# KiCad board antmicro-gmsl-serializer.kicad_pcb
title: GMSL Serializer; date: 2024-01-03; rev: 1.0.0; company: Antmicro Ltd; note: www.antmicro.com
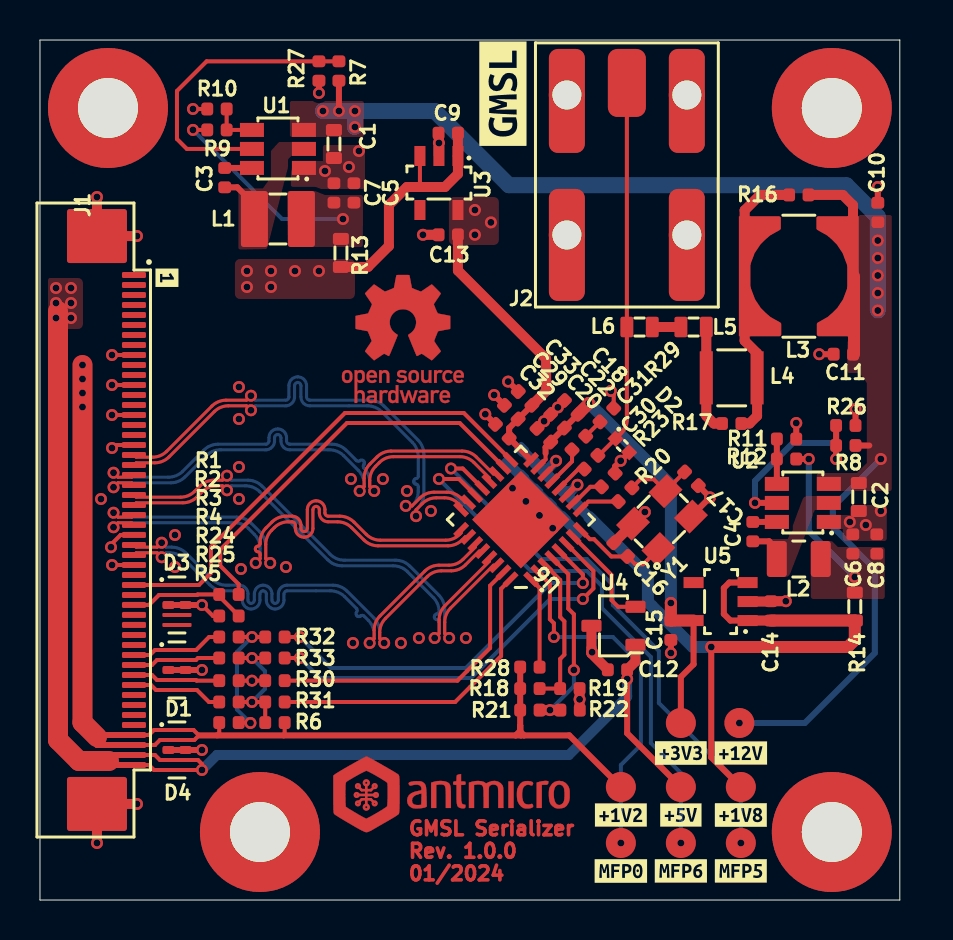
[diagram p0: board, top side]
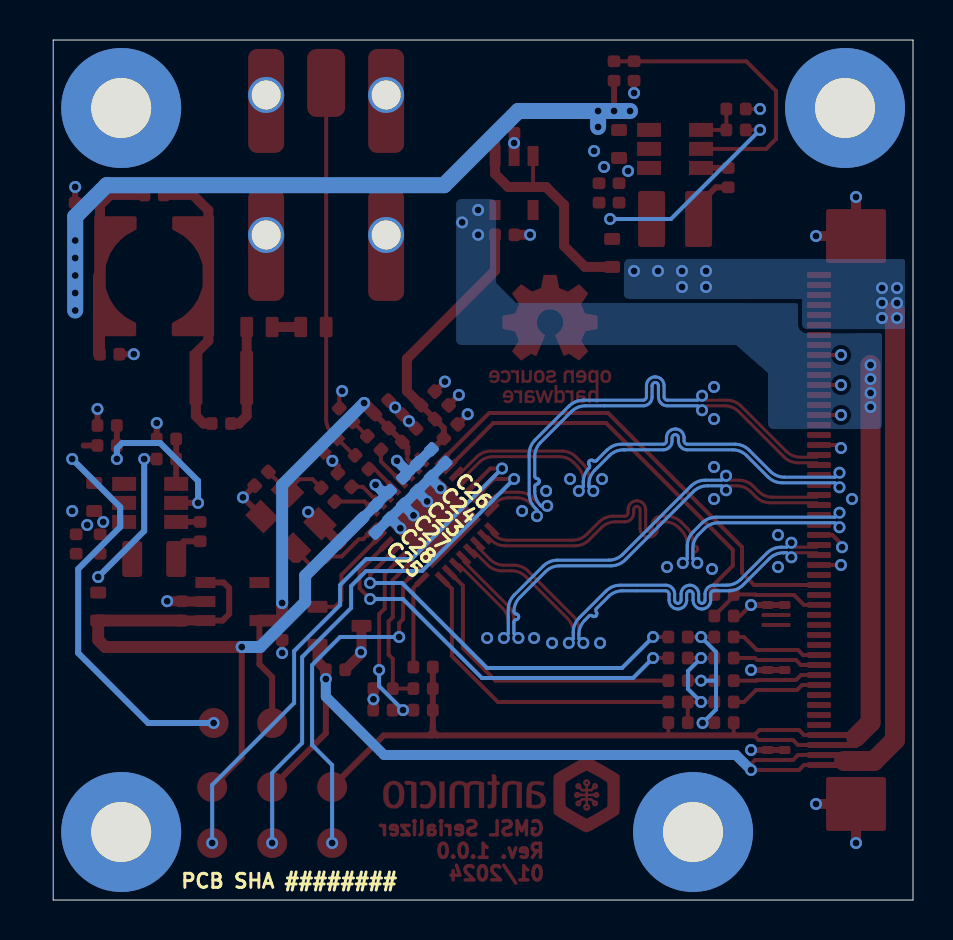
[diagram p1: board, bottom side, seen from below]

Outline 43 x 43 mm; copper layers: Top, In1.Cu (plane), In2.Cu (plane), Bottom. Coordinates in mm from the lower left corner of the outline.
Outline path: 0,43 43,43 43,0 0,0 0,43
Stack: Top 0.018mm / dielectric 0.12mm IS400 PR2116 er 4.06 / In1.Cu 0.035mm / dielectric 1.2mm FR-4 er 4.35 / In2.Cu 0.035mm / dielectric 0.12mm IS400 PR2116 er 4.06 / Bottom 0.018mm

## Placement (name value [footprint] x y rotation side)
C1  C_10u_25V_0603  [C_0603_1608Metric]  14.7 37.8 90 top
C2  C_10u_25V_0603  [C_0603_1608Metric]  40.95 20.15 90 top
C3  C_220n_0402  [C_0402_1005Metric]  9.24 36.12 270 top
C4  C_100n_0402  [C_0402_1005Metric]  35.65 18.42 270 top
C5  C_22u_0402  [C_0402_1005Metric]  15.7 35.35 270 top
C6  C_22u_0402  [C_0402_1005Metric]  40.65 17.8 270 top
C7  C_22u_0402  [C_0402_1005Metric]  14.7 35.35 270 top
C8  C_22u_0402  [C_0402_1005Metric]  41.85 17.8 270 top
C9  C_1u_16V_0402  [C_0402_1005Metric]  20.42 38.34 0 top
C10  C_100n_0402  [C_0402_1005Metric]  41.9 34.38 270 top
C11  C_10n_0402  [C_0402_1005Metric]  40.18 27.29 0 top
C12  C_1u_16V_0402  [C_0402_1005Metric]  28.88 11.51 0 top
C13  C_1u_16V_0402  [C_0402_1005Metric]  20.42 33.26 0 top
C14  C_1u_16V_0402  [C_0402_1005Metric]  36.56 14.46 270 top
C15  C_1u_16V_0402  [C_0402_1005Metric]  31.55 13.49 90 top
C16  C_33p_0402  [C_0402_1005Metric]  29.04 17.52 315 top
C17  C_33p_0402  [C_0402_1005Metric]  32.58 21.06 135 top
C18  C_10u_0402  [C_0402_1005Metric]  26.57 24.63 315 top
C20  C_100n_0402  [C_0402_1005Metric]  25.2 23.24 315 top
C22  C_100n_0402  [C_0402_1005Metric]  25.88 23.94 315 top
C23  C_10n_0402  [C_0402_1005Metric]  25.14 20.79 45 bottom
C24  C_100n_0402  [C_0402_1005Metric]  24.44 21.49 45 bottom
C25  C_10u_0402  [C_0402_1005Metric]  27.21 18.72 45 bottom
C26  C_10u_0402  [C_0402_1005Metric]  23.74 22.19 45 bottom
C27  C_10n_0402  [C_0402_1005Metric]  25.83 20.1 45 bottom
C28  C_10n_0402  [C_0402_1005Metric]  26.52 19.41 45 bottom
C29  C_10n_0402  [C_0402_1005Metric]  23.57 24.39 315 top
C30  C_100n_0402  [C_0402_1005Metric]  27.56 21.89 45 top
C31  C_100n_0402  [C_0402_1005Metric]  26.95 22.85 45 top
C32  C_10n_0402  [C_0402_1005Metric]  23.12 23.44 315 top
C33  C_10u_0402  [C_0402_1005Metric]  24.26 25.08 315 top
D1  PESD4USB5U-TTS  [DFN-10_2.5x1mm]  6.85 11.5 0 top
D2  AXGD10402KR  [D_0402_1005Metric]  29.12 22.73 315 top
D3  PESD4USB5U-TTS  [DFN-10_2.5x1mm]  6.85 14.75 0 top
D4  PESD4USB5U-TTS  [DFN-10_2.5x1mm]  6.85 7.5 0 top
J1  Conn_FFC_WE_68715014022  [Conn_FFC_WE_68715014x22]  2.55 19 270 top
J2  Conn_FAKRA_2FAI-NZSP-PCBB6  [Conn_FAKRA_59S2AQ-40MT5-Z_1]  29.35 40.85 0 top
kibuzzard-65829B98  G***  [kibuzzard-65829B98]  23.15 40.32 90 top
kibuzzard-65829C0E  G***  [kibuzzard-65829C0E]  6.35 31.11 270 top
kibuzzard-65829C7C  G***  [kibuzzard-65829C7C]  35.05 1.45 0 top
kibuzzard-65829C9B  G***  [kibuzzard-65829C9B]  32.05 7.35 0 top
kibuzzard-65829C27  G***  [kibuzzard-65829C27]  32.05 4.25 0 top
kibuzzard-65829C31  G***  [kibuzzard-65829C31]  35.05 4.25 0 top
kibuzzard-65829C55  G***  [kibuzzard-65829C55]  29.05 1.45 0 top
kibuzzard-65829C69  G***  [kibuzzard-65829C69]  29.05 4.25 0 top
kibuzzard-65829C72  G***  [kibuzzard-65829C72]  32.05 1.45 0 top
kibuzzard-65829CA4  G***  [kibuzzard-65829CA4]  35.05 7.35 0 top
L1  L_3u3_3.1A_Bourns-SRP3212A  [L_Bourns-SRP3212A]  11.9 34.05 0 top
L2  L_1u_2.6A_0806  [L_0806_2016Metric]  37.95 17.05 0 top
L3  L_22u_1.12A_Coilcraft-MSS6132T  [L_Coilcraft-MSS6132T]  37.95 31.19 180 top
L4  L_6u8_1A_Coilcraft-1210POC  [L_Coilcraft-1210POC]  34.59 26.11 180 top
L5  L_470n_1A_Coilcraft-PFL1609  [L_Coilcraft-PFL1609]  32.69 28.65 180 top
L6  L_470n_1A_Coilcraft-PFL1609  [L_Coilcraft-PFL1609]  29.98 28.65 180 top
MP1  MP_Pad6mm_Drill3mm  [MP_Pad6mm_Drill3mm#2]  39.67 3.25 0 top
MP2  MP_Pad6mm_Drill3mm  [MP_Pad6mm_Drill3mm#4]  39.6 39.75 0 top
MP3  MP_Pad6mm_Drill3mm  [MP_Pad6mm_Drill3mm#3]  10.35 3.25 0 top
MP4  -  [MP_Pad6mm_Drill3mm]  3.4 39.6 0 top
N1  antmicro_logo  [antmicro-logo_scaled_12mm]  20.55 5.25 0 top
N2  oshw_logo  [oshw-logo]  18.15 28.05 0 top
R1  R_10k_0402  [R_0402_1005Metric]  9.45 15.28 0 top
R2  R_12k_0402  [R_0402_1005Metric]  9.45 14.2 180 top
R3  R_100R_0402  [R_0402_1005Metric]  9.45 13.15 0 top
R4  R_100R_0402  [R_0402_1005Metric]  9.45 12.1 0 top
R5  R_4k7_0402  [R_0402_1005Metric]  9.45 8.87 180 top
R6  R_4k7_0402  [R_0402_1005Metric]  11.75 8.87 0 top
R7  R_10k_0402  [R_0402_1005Metric]  14.95 41.45 270 top
R8  R_10k_0402  [R_0402_1005Metric]  40.3 22.72 0 top
R9  R_52k3_0402  [R_0402_1005Metric]  8.85 38.5 180 top
R10  R_10k_0402  [R_0402_1005Metric]  8.85 39.55 0 top
R11  R_12k4_0402  [R_0402_1005Metric]  37.34 22.05 0 top
R12  R_10k_0402  [R_0402_1005Metric]  37.34 23.05 180 top
R13  R_0R_22.4A_0603  [R_0603_1608Metric]  15.05 32.35 270 top
R14  R_0R_22.4A_0603  [R_0603_1608Metric]  40.75 14.67 270 top
R16  R_5k1_0402  [R_0402_1005Metric]  37.95 35.25 180 top
R17  R_5k1_0402  [R_0402_1005Metric]  34.59 23.82 180 top
R18  R_80k6_0402  [R_0402_1005Metric]  24.5 10.57 180 top
R19  R_10k_0402  [R_0402_1005Metric]  26.5 10.57 180 top
R20  R_0R_0402  [R_0402_1005Metric]  29.26 20.27 225 top
R21  R_80k6_0402  [R_0402_1005Metric]  24.5 9.49 180 top
R22  R_10k_0402  [R_0402_1005Metric]  26.51 9.49 180 top
R23  R_402R_0402  [R_0402_1005Metric]  28.42 21 225 top
R24  R_100R_0402  [R_0402_1005Metric]  9.45 10.97 0 top
R25  R_100R_0402  [R_0402_1005Metric]  9.45 9.9 0 top
R26  R_10k_0402  [R_0402_1005Metric]  40.3 23.72 180 top
R27  R_10k_0402  [R_0402_1005Metric]  13.95 41.45 90 top
R28  R_10k_0402  [R_0402_1005Metric]  24.5 11.64 180 top
R29  R_51R_0402  [R_0402_1005Metric]  28.35 24.25 225 top
R30  R_0R_0402  [R_0402_1005Metric]  11.75 10.97 0 top
R31  R_0R_0402  [R_0402_1005Metric]  11.75 9.9 0 top
R32  R_0R_0402  [R_0402_1005Metric]  11.75 13.15 0 top
R33  R_0R_0402  [R_0402_1005Metric]  11.75 12.1 0 top
TP1  TP_1.5mm_SMD  [TP_SMD_1.5mm]  32.05 5.65 0 top
TP2  TP_1.5mm_SMD  [TP_SMD_1.5mm]  35.05 5.65 0 top
TP3  TP_1.5mm_SMD  [TP_SMD_1.5mm]  34.98 8.85 180 top
TP4  TP_1.5mm_SMD  [TP_SMD_1.5mm]  29.05 5.65 0 top
TP5  TP_1.5mm_SMD  [TP_SMD_1.5mm]  32.05 8.85 0 top
TP6  TP_1.5mm_SMD  [TP_SMD_1.5mm]  29.05 2.85 0 top
TP7  TP_1.5mm_SMD  [TP_SMD_1.5mm]  35.05 2.85 0 top
TP8  TP_1.5mm_SMD  [TP_SMD_1.5mm]  32.05 2.85 0 top
U1  AP62301_TSOT  [TSOT23-6]  11.9 37.55 180 top
U2  AP62301_TSOT  [TSOT23-6]  38.15 19.85 180 top
U3  NCP163ASN330T1G  [SOT-23-5]  19.95 35.85 270 top
U4  REF3012AIDBZT  [SOT-23-3]  28.68 13.71 180 top
U5  TLV73312PDBVT  [SOT-23-5]  34.04 14.92 180 top
U6  MAX9295A  [QFN-32-1EP_5x5mm]  24 19 135 top
Y1  Resonator_25MHz_ABM8G  [Oscillator_SMD_Geyer_KX-7-4Pin_3.2x2.5mm]  31.04 19 45 top

## Library data of the parts
C1 = -: Author: Antmicro; License: Apache-2.0; MPN: C1608X5R1E106M080AC; Manufacturer: TDK; Val: 10u/25V; Field11: Author: Antmicro; Field13: License: Apache-2.0
C2 = -: Author: Antmicro; License: Apache-2.0; MPN: C1608X5R1E106M080AC; Manufacturer: TDK; Val: 10u/25V; Field11: License: Apache-2.0; Field12: Author: Antmicro
C3 = -: Author: Antmicro; License: Apache-2.0; MPN: CC0402KRX5R6BB224; Manufacturer: YAGEO; Val: 220n; Field12: License: Apache-2.0; Field13: Author: Antmicro
C4 C30 = -: Author: Antmicro; Dielectric: X5R; License: Apache-2.0; MPN: GRM155R61H104KE14D; Manufacturer: Murata; Val: 100n; Voltage: 50V; Field11: Author: Antmicro; Field13: License: Apache-2.0
C5 C8 = -: Author: Antmicro; License: Apache-2.0; MPN: GRM158R60J226ME01D; Manufacturer: Murata; Val: 22u; Field11: Author: Antmicro; Field13: License: Apache-2.0
C6 = -: Author: Antmicro; License: Apache-2.0; MPN: GRM158R60J226ME01D; Manufacturer: Murata; Val: 22u; Field11: License: Apache-2.0; Field12: Author: Antmicro
C7 = -: Author: Antmicro; License: Apache-2.0; MPN: GRM158R60J226ME01D; Manufacturer: Murata; Val: 22u; Field11: Author: Antmicro; Field12: License: Apache-2.0
C9 C13 = -: Author: Antmicro; License: Apache-2.0; MPN: C0402C105M4PACTU; Manufacturer: KEMET; Val: 1u/16V; Field12: Author: Antmicro; Field13: License: Apache-2.0
C10 C22 = -: Author: Antmicro; Dielectric: X5R; License: Apache-2.0; MPN: GRM155R61H104KE14D; Manufacturer: Murata; Val: 100n; Voltage: 50V; Field11: License: Apache-2.0; Field12: Author: Antmicro
C11 C32 = -: Author: Antmicro; Dielectric: X7R; License: Apache-2.0; MPN: GRM155R71H103KA88D; Manufacturer: Murata; Val: 10n; Voltage: 50V; Field11: Author: Antmicro; Field13: License: Apache-2.0
C12 = -: Author: Antmicro; License: Apache-2.0; MPN: C0402C105M4PACTU; Manufacturer: KEMET; Val: 1u/16V; Field11: License: Apache-2.0; Field13: Author: Antmicro
C14 = -: Author: Antmicro; License: Apache-2.0; MPN: C0402C105M4PACTU; Manufacturer: KEMET; Val: 1u/16V; Field12: License: Apache-2.0; Field13: Author: Antmicro
C15 = -: Author: Antmicro; License: Apache-2.0; MPN: C0402C105M4PACTU; Manufacturer: KEMET; Val: 1u/16V; Field11: Author: Antmicro; Field13: License: Apache-2.0
C16 = -: Author: Antmicro; License: Apache-2.0; MPN: 04025A330FAT2A; Manufacturer: KYOCERA AVX; Val: 33p; Field11: License: Apache-2.0; Field12: Author: Antmicro
C17 = -: Author: Antmicro; License: Apache-2.0; MPN: 04025A330FAT2A; Manufacturer: KYOCERA AVX; Val: 33p; Field11: License: Apache-2.0; Field13: Author: Antmicro
C18 C33 = -: Author: Antmicro; License: Apache-2.0; MPN: CC0402MRX5R5BB106; Manufacturer: YAGEO; Val: 10u; Field11: Author: Antmicro; Field12: License: Apache-2.0
C20 = -: Author: Antmicro; Dielectric: X5R; License: Apache-2.0; MPN: GRM155R61H104KE14D; Manufacturer: Murata; Val: 100n; Voltage: 50V; Field12: Author: Antmicro; Field13: License: Apache-2.0
C23 C27 = -: Author: Antmicro; Dielectric: X7R; License: Apache-2.0; MPN: GRM155R71H103KA88D; Manufacturer: Murata; Val: 10n; Voltage: 50V; Field12: Author: Antmicro; Field13: License: Apache-2.0
C24 = -: Author: Antmicro; Dielectric: X5R; License: Apache-2.0; MPN: GRM155R61H104KE14D; Manufacturer: Murata; Val: 100n; Voltage: 50V; Field12: License: Apache-2.0; Field13: Author: Antmicro
C25 = -: Author: Antmicro; License: Apache-2.0; MPN: CC0402MRX5R5BB106; Manufacturer: YAGEO; Val: 10u; Field11: License: Apache-2.0; Field12: Author: Antmicro
C26 = -: Author: Antmicro; License: Apache-2.0; MPN: CC0402MRX5R5BB106; Manufacturer: YAGEO; Val: 10u; Field11: Author: Antmicro; Field13: License: Apache-2.0
C28 = -: Author: Antmicro; Dielectric: X7R; License: Apache-2.0; MPN: GRM155R71H103KA88D; Manufacturer: Murata; Val: 10n; Voltage: 50V; Field11: License: Apache-2.0; Field12: Author: Antmicro
C29 = -: Author: Antmicro; Dielectric: X7R; License: Apache-2.0; MPN: GRM155R71H103KA88D; Manufacturer: Murata; Val: 10n; Voltage: 50V; Field11: Author: Antmicro; Field12: License: Apache-2.0
C31 = -: Author: Antmicro; Dielectric: X5R; License: Apache-2.0; MPN: GRM155R61H104KE14D; Manufacturer: Murata; Val: 100n; Voltage: 50V; Field11: License: Apache-2.0; Field13: Author: Antmicro
D1 = -: Author: Antmicro; License: Apache-2.0; Manufacturer: Nexperia; Field8: Author: Antmicro; Field9: License: Apache-2.0
D2 = -: Author: Antmicro; License: Apache-2.0; Manufacturer: Littelfuse; Field8: License: Apache-2.0; Field10: Author: Antmicro
D3 D4 = -: Author: Antmicro; License: Apache-2.0; Manufacturer: Nexperia; Field8: License: Apache-2.0; Field9: Author: Antmicro
J1 = -: Author: Antmicro; License: Apache-2.0; MPN: 68715014022; Manufacturer: Würth Elektronik; Field8: Author: Antmicro; Field9: License: Apache-2.0
J2 = -: Author: Antmicro; License: Apache-2.0; MPN: 59S2AQ-40MT5-Z_1; Manufacturer: Rosenberger; Field9: Author: Antmicro; Field10: License: Apache-2.0
L1 = -: Author: Antmicro; IMax: 3.1 A; ISat: 3.4 A; License: Apache-2.0; MPN: SRP3212-3R3M; Manufacturer: Bourns; Size: 3.2x2.5; Val: 3u3/3.1A; Field12: License: Apache-2.0; Field14: Author: Antmicro
L2 = -: Author: Antmicro; IMax: 2.6 A; ISat: 2.9 A; License: Apache-2.0; MPN: SRP2010-1R0M; Manufacturer: Bourns; Size: 2.0x1.6; Val: 1u/2.6A; Field13: License: Apache-2.0; Field14: Author: Antmicro
L3 = -: Author: Antmicro; IMax: 1.45A; ISat: 1.12A; License: Apache-2.0; MPN: MSS6132T-223; Manufacturer: Coilcraft; Size: 6.1x6.1; Val: 22u/1.12A; Field13: Author: Antmicro; Field14: License: Apache-2.0
L4 = -: Author: Antmicro; IMax: 1.36 A; ISat: 1 A; License: Apache-2.0; MPN: 1210POC-682; Manufacturer: Coilcraft; Size: 2.67x3.3; Val: 6u8/1A; Field12: License: Apache-2.0; Field14: Author: Antmicro
L5 = -: Author: Antmicro; IMax: 1 A; ISat: 0.99 A; License: Apache-2.0; MPN: PFL1609-471; Manufacturer: Coilcraft; Size: 1.07x1.8; Val: 470n/0.99A; Field12: Author: Antmicro; Field13: License: Apache-2.0
L6 = -: Author: Antmicro; IMax: 1 A; ISat: 0.99 A; License: Apache-2.0; MPN: PFL1609-471; Manufacturer: Coilcraft; Size: 1.07x1.8; Val: 470n/0.99A; Field12: Author: Antmicro; Field14: License: Apache-2.0
MP1 = -: Author: Antmicro; License: Apache-2.0; Field6: Author: Antmicro; Field7: License: Apache-2.0
MP2-MP4 = -: Author: Antmicro; License: Apache-2.0; Field6: License: Apache-2.0; Field8: Author: Antmicro
N1 = -: Author: Antmicro; License: Apache-2.0; Field10: License: Apache-2.0; Field11: Author: Antmicro
N2 TP2 TP8 = -: Author: Antmicro; License: Apache-2.0; Field9: License: Apache-2.0; Field10: Author: Antmicro
R1 R8 R10 = -: Author: Antmicro; License: Apache-2.0; MPN: CR0402-FX-1002GLF; Manufacturer: Bourns; Tolerance: 1%; Val: 10k; Field10: License: Apache-2.0; Field12: Author: Antmicro
R2 = -: Author: Antmicro; License: Apache-2.0; MPN: CR0402-FX-1202GLF; Manufacturer: Bourns; Tolerance: 1%; Val: 12k; Field10: License: Apache-2.0; Field12: Author: Antmicro
R3 R4 = -: Author: Antmicro; License: Apache-2.0; MPN: CR0402-FX-1000GLF; Manufacturer: Bourns; Tolerance: 1%; Val: 100R; Field10: License: Apache-2.0; Field11: Author: Antmicro
R5 R6 = -: Author: Antmicro; DNP: DNP; License: Apache-2.0; MPN: CR0402-FX-4701GLF; Manufacturer: Bourns; Tolerance: 1%; Val: 4k7; Field13: Author: Antmicro; Field14: License: Apache-2.0
R7 R26 = -: Author: Antmicro; License: Apache-2.0; MPN: CR0402-FX-1002GLF; Manufacturer: Bourns; Tolerance: 1%; Val: 10k; Field10: Author: Antmicro; Field12: License: Apache-2.0
R9 = -: Author: Antmicro; License: Apache-2.0; MPN: CR0402-FX-5232GLF; Manufacturer: Bourns; Tolerance: 1%; Val: 52k3; Field10: Author: Antmicro; Field12: License: Apache-2.0
R11 = -: Author: Antmicro; License: Apache-2.0; MPN: CR0402-FX-1242GLF; Manufacturer: Bourns; Tolerance: 1%; Val: 12k4; Field11: License: Apache-2.0; Field12: Author: Antmicro
R12 = -: Author: Antmicro; License: Apache-2.0; MPN: CR0402-FX-1002GLF; Manufacturer: Bourns; Tolerance: 1%; Val: 10k; Field10: Author: Antmicro; Field11: License: Apache-2.0
R13 R14 = -: Author: Antmicro; License: Apache-2.0; MPN: PMR03EZPJ000; Manufacturer: ROHM Semiconductor; Max. Curr.: 22.4A; Tolerance: template_tolerance; Val: 0R; Field11: Author: Antmicro; Field12: License: Apache-2.0
R16 R17 = -: Author: Antmicro; License: Apache-2.0; MPN: CR0402-FX-5101GLF; Manufacturer: Bourns; Tolerance: 1%; Val: 5k1; Field10: License: Apache-2.0; Field12: Author: Antmicro
R18 = -: Author: Antmicro; DNP: DNP; License: Apache-2.0; MPN: CR0402-FX-8062GLF; Manufacturer: Bourns; Tolerance: 1%; Val: 80k6; Field12: License: Apache-2.0; Field14: Author: Antmicro
R19 R22 R28 = -: Author: Antmicro; License: Apache-2.0; MPN: CR0402-FX-1002GLF; Manufacturer: Bourns; Tolerance: 1%; Val: 10k; Field10: License: Apache-2.0; Field11: Author: Antmicro
R20 R32 = -: Author: Antmicro; Current: 1A; License: Apache-2.0; MPN: ERJ2GE0R00X; Manufacturer: Panasonic; Val: 0R; Field11: Author: Antmicro; Field12: License: Apache-2.0
R21 = -: Author: Antmicro; DNP: DNP; License: Apache-2.0; MPN: CR0402-FX-8062GLF; Manufacturer: Bourns; Tolerance: 1%; Val: 80k6; Field13: License: Apache-2.0; Field14: Author: Antmicro
R23 = -: Author: Antmicro; License: Apache-2.0; MPN: CR0402-FX-4020GLF; Manufacturer: Vishay; Tolerance: 1%; Val: 402R; Field11: License: Apache-2.0; Field12: Author: Antmicro
R24 = -: Author: Antmicro; License: Apache-2.0; MPN: CR0402-FX-1000GLF; Manufacturer: Bourns; Tolerance: 1%; Val: 100R; Field10: Author: Antmicro; Field11: License: Apache-2.0
R25 = -: Author: Antmicro; License: Apache-2.0; MPN: CR0402-FX-1000GLF; Manufacturer: Bourns; Tolerance: 1%; Val: 100R; Field10: Author: Antmicro; Field12: License: Apache-2.0
R27 = -: Author: Antmicro; License: Apache-2.0; MPN: CR0402-FX-1002GLF; Manufacturer: Bourns; Tolerance: 1%; Val: 10k; Field11: Author: Antmicro; Field12: License: Apache-2.0
R29 = -: Author: Antmicro; License: Apache-2.0; MPN: CR0402-FX-51R0GLF; Manufacturer: Bourns; Tolerance: 1%; Val: 51R; Field10: License: Apache-2.0; Field12: Author: Antmicro
R30 = -: Author: Antmicro; Current: 1A; DNP: DNP; License: Apache-2.0; MPN: ERJ2GE0R00X; Manufacturer: Panasonic; Val: 0R; Field13: Author: Antmicro; Field14: License: Apache-2.0
R31 = -: Author: Antmicro; Current: 1A; DNP: DNP; License: Apache-2.0; MPN: ERJ2GE0R00X; Manufacturer: Panasonic; Val: 0R; Field13: License: Apache-2.0; Field14: Author: Antmicro
R33 = -: Author: Antmicro; Current: 1A; License: Apache-2.0; MPN: ERJ2GE0R00X; Manufacturer: Panasonic; Val: 0R; Field11: Author: Antmicro; Field13: License: Apache-2.0
TP1 TP5 TP6 = -: Author: Antmicro; License: Apache-2.0; Field8: Author: Antmicro; Field9: License: Apache-2.0
TP3 = -: Author: Antmicro; License: Apache-2.0; Field8: License: Apache-2.0; Field10: Author: Antmicro
TP4 TP7 = -: Author: Antmicro; License: Apache-2.0; Field9: Author: Antmicro; Field10: License: Apache-2.0
U1 U2 = -: Author: Antmicro; License: Apache-2.0; MPN: AP62301WU-7; Manufacturer: Diodes Incorporated; Field8: License: Apache-2.0; Field9: Author: Antmicro
U3 = -: Author: Antmicro; License: Apache-2.0; Manufacturer: ON Semiconductor; Field8: License: Apache-2.0; Field9: Author: Antmicro
U4 = -: Author: Antmicro; License: Apache-2.0; Manufacturer: Texas Instruments; Field8: License: Apache-2.0; Field10: Author: Antmicro
U5 = -: Author: Antmicro; License: Apache-2.0; Manufacturer: Texas Instruments; Field8: Author: Antmicro; Field9: License: Apache-2.0
U6 = -: Author: Antmicro; License: Apache-2.0; Manufacturer: Maxim Integrated Products; Field9: License: Apache-2.0; Field10: Author: Antmicro
Y1 = -: Author: Antmicro; License: Apache-2.0; MPN: ABM8G-25.000MHZ-18-D2Y-T3; Manufacturer: Abracon; Val: 25 MHz; Field10: Author: Antmicro; Field11: License: Apache-2.0

## Footprints (pads in the part's own frame, mm; a bottom-side part is the same pattern mirrored in y, then rotated)
C_0402_1005Metric
  rrect 0.59x0.64 smd: 1(-0.484,0) 2(0.484,0)
C_0603_1608Metric
  rrect 0.6x0.8 smd: 1(-0.7,0) 2(0.7,0)
Conn_FAKRA_59S2AQ-40MT5-Z_1
  rrect 1.9x3.4 smd: 1(0,0)
  round 1.8 hole 1.45: 2(-3,-0.6) 3(-3,-7.6) 4(3,-7.6) 5(3,-0.6)
  rrect 1.8x5.2 smd: 2(-3,-0.6) 5(3,-0.6)
  rrect 1.8x5.6 smd: 3(-3,-7.6) 4(3,-7.6)
Conn_FFC_WE_68715014x22
  rrect 0.3x1.2 smd: 1(-12.25,2.15) 2(-11.75,2.15) 3(-11.25,2.15) 4(-10.75,2.15) 5(-10.25,2.15) 6(-9.75,2.15) 7(-9.25,2.15) 8(-8.75,2.15) 9(-8.25,2.15) 10(-7.75,2.15) 11(-7.25,2.15) 12(-6.75,2.15) 13(-6.25,2.15) 14(-5.75,2.15) 15(-5.25,2.15) 16(-4.75,2.15) 17(-4.25,2.15) 18(-3.75,2.15) 19(-3.25,2.15) 20(-2.75,2.15) 21(-2.25,2.15) 22(-1.75,2.15) 23(-1.25,2.15) 24(-0.75,2.15) 25(-0.25,2.15) 26(0.248,2.15) 27(0.748,2.15) 28(1.249,2.15) 29(1.749,2.15) 30(2.249,2.15) 31(2.749,2.15) 32(3.249,2.15) 33(3.749,2.15) 34(4.248,2.15) 35(4.748,2.15) 36(5.248,2.15) 37(5.749,2.15) 38(6.249,2.15) 39(6.749,2.15) 40(7.249,2.15) 41(7.749,2.15) 42(8.249,2.15) 43(8.749,2.15) 44(9.249,2.15) 45(9.749,2.15) 46(10.249,2.15) 47(10.749,2.15) 48(11.249,2.15) 49(11.749,2.15) 50(12.249,2.15)
  rrect 2.7x3 smd: MP1(-14.198,0.3) MP2(14.198,0.3)
D_0402_1005Metric
  rect 0.584x0.559 smd: 1(-0.48,0) 2(0.48,0)
DFN-10_2.5x1mm
  rrect 0.6x0.2 smd: 1(-0.425,1) 2(-0.425,0.5) 4(-0.425,-0.5) 5(-0.425,-1) 6(0.425,-1) 7(0.425,-0.5) 9(0.425,0.5) 10(0.425,1)
  rrect 0.6x0.4 smd: 3(-0.425,0) 8(0.425,0)
L_0806_2016Metric
  rrect 1x1.8 smd: 1(-1.1,0.001) 2(1.1,0.001)
L_Bourns-SRP3212A
  rrect 1.35x2.8 smd: 1(-1.175,0) 2(1.175,0)
L_Coilcraft-1210POC
  rect 0.65x2.65 smd: 1(-1.27,0) 2(1.27,0)
L_Coilcraft-MSS6132T
  rect 0.575x6 smd: 1(-2.71,0) 2(2.71,0)
L_Coilcraft-PFL1609
  rrect 0.64x1.02 smd: 1(-0.635,0) 2(0.635,0)
MP_Pad6mm_Drill3mm
  round 6 hole 3: 1(0,0)
MP_Pad6mm_Drill3mm#2
  round 6 hole 3: 1(-0.072,0.152)
MP_Pad6mm_Drill3mm#3
  round 6 hole 3: 1(0.65,0.152)
MP_Pad6mm_Drill3mm#4
  round 6 hole 3: 1(0,-0.15)
Oscillator_SMD_Geyer_KX-7-4Pin_3.2x2.5mm
  rrect 1.3x1.1 smd: 1(-1.101,-0.949)
  rect 1.3x1.1 smd: 2(1.199,-0.949) 3(1.199,0.85) 4(-1.101,0.85)
QFN-32-1EP_5x5mm
  rect 0.85x0.28 smd: 1(-2.495,1.702) 2(-2.495,1.2) 3(-2.495,0.701) 4(-2.495,0.201) 5(-2.495,-0.296) 6(-2.495,-0.8) 7(-2.495,-1.3) 8(-2.495,-1.8) 17(2.456,-1.8) 18(2.456,-1.3) 19(2.456,-0.8) 20(2.456,-0.296) 21(2.456,0.201) 22(2.456,0.701) 23(2.456,1.2) 24(2.456,1.702)
  rect 0.28x0.85 smd: 9(-1.768,-2.523) 10(-1.269,-2.523) 11(-0.772,-2.523) 12(-0.272,-2.523) 13(0.229,-2.523) 14(0.728,-2.523) 15(1.23,-2.523) 16(1.73,-2.523) 25(1.73,2.426) 26(1.23,2.426) 27(0.728,2.426) 28(0.229,2.426) 29(-0.272,2.426) 30(-0.772,2.426) 31(-1.269,2.426) 32(-1.768,2.426)
  rect 3.45x3.45 smd: 33(-0.02,-0.048)
R_0402_1005Metric
  rrect 0.59x0.64 smd: 1(-0.485,0) 2(0.485,0)
R_0603_1608Metric
  rrect 0.6x0.8 smd: 1(-0.7,0) 2(0.7,0)
SOT-23-3
  rrect 1x0.6 smd: 1(-1.1,0.951) 2(-1.1,-0.949) 3(1.1,0.001)
SOT-23-5
  rect 1x0.55 smd: 1(-1.351,0.951) 2(-1.351,0) 3(-1.351,-0.949) 4(1.35,-0.949) 5(1.35,0.951)
TP_SMD_1.5mm
  round 1.5 smd: 1(0,0)
TSOT23-6
  rect 1.2x0.7 smd: 1(-1.301,0.947) 2(-1.301,-0.004) 3(-1.301,-0.954) 4(1.299,-0.954) 5(1.299,-0.004) 6(1.299,0.947)

## Nets
+1V2: C15.2 C18.2 C20.2 C22.2 TP5.1 U5.5 U6.15
+1V8: C14.2 C25.2 C27.2 C28.2 R14.2 TP2.1 U5.1 U5.3 U6.11
+3V3: C13.2 C29.2 C32.2 C33.2 D4.1 D4.2 D4.9 D4.10 J1.47 J1.48 R5.2 R6.2 R18.2 R21.2 R28.2 TP4.1 U3.5 U6.16
+5V: C9.2 C12.2 D4.4 D4.5 D4.6 D4.7 J1.49 J1.50 R13.2 TP1.1 U3.1 U3.3 U4.1
+12V: C1.2 C2.2 C10.2 C11.2 L3.1 R7.2 R8.2 R16.1 TP3.1 U1.3 U2.3
GND: C1.1 C2.1 C5.1 C6.1 C7.1 C8.1 C9.1 C10.1 C11.1 C12.1 C13.1 C14.1 C15.1 C16.1 C17.1 C18.1 C20.1 C22.1 C23.1 C24.1 C25.1 C26.1 C27.1 C28.1 C29.1 C32.1 C33.1 D1.3 D1.8 D2.2 D3.3 D3.8 D4.3 D4.8 J1.9 J1.12 J1.15 J1.18 J1.27 J1.30 J1.MP1 J1.MP2 J2.2 J2.3 J2.4 J2.5 MP1.1 MP2.1 MP3.1 MP4.1 R2.2 R10.1 R12.1 R19.1 R22.1 R23.1 R26.1 R27.1 R29.1 U1.1 U2.1 U3.2 U4.3 U5.2 U6.33 Y1.2 Y1.4
/Connectors/GPIO4_1V8: D3.2 D3.9 J1.34 R1.1 R2.1
/Connectors/SCL_CAM0: D1.2 D1.9 J1.40 R4.1
/Connectors/SCL_CAM1: D1.5 D1.6 J1.42 R25.1
/Connectors/SDA_CAM0: D1.1 D1.10 J1.39 R3.1
/Connectors/SDA_CAM1: D1.4 D1.7 J1.41 R24.1
/Serializer/CFG0: R18.1 R19.2 U6.3
/Serializer/CFG1: R21.1 R22.2 U6.4
/Serializer/X1: C16.2 U6.8 Y1.1
/Serializer/X2: R20.2 U6.9
/Serializer/X2_R: C17.2 R20.1 Y1.3
/Supply/EN_1V8: R8.1 R26.2 U2.5
/Supply/EN_5V: R7.1 R27.2 U1.5
/Supply/FB_1V8: R11.1 R12.2 U2.4
/Supply/FB_5V: R9.1 R10.2 U1.4
/Supply/OUT_1V8: C6.2 C8.2 L2.2 R11.2 R14.1
/Supply/OUT_5V: C5.2 C7.2 L1.2 R9.2 R13.1
/Supply/SW_1V8: C4.2 L2.1 U2.2
/Supply/SW_5V: C3.2 L1.1 U1.2
CSI_CLK_N: J1.28 U6.28
CSI_CLK_P: J1.29 U6.27
CSI_D0_N: J1.25 U6.26
CSI_D0_P: J1.26 U6.25
CSI_D1_N: J1.23 U6.30
CSI_D1_P: J1.24 U6.29
CSI_D2_N: J1.21 U6.20
CSI_D2_P: J1.22 U6.19
CSI_D3_N: J1.19 U6.24
CSI_D3_P: J1.20 U6.23
GPIO3: D3.1 D3.10 J1.32 U6.17
GPIO4: R1.2 U6.18
SCL: R4.2 R6.1 R25.2 R31.1 R33.1
SDA: R3.2 R5.1 R24.2 R30.1 R32.1
SIO_P: C30.2 D2.1 J2.1 L6.2
VREF: U4.2 U6.7
Net-(C3-Pad1): C3.1 U1.6
Net-(C4-Pad1): C4.1 U2.6
Net-(C23-Pad2): C23.2 C24.2 C26.2 U6.14
Net-(C30-Pad1): C30.1 U6.12
Net-(C31-Pad1): C31.1 U6.13
Net-(C31-Pad2): C31.2 R29.2
Net-(L3-Pad2): L3.2 L4.1 R16.2 R17.1
Net-(L4-Pad2): L4.2 L5.1 R17.2
Net-(L5-Pad2): L5.2 L6.1
Net-(R23-Pad2): R23.2 U6.10
Net-(R28-Pad1): R28.1 U6.1
Net-(R30-Pad2): R30.2 U6.31
Net-(R31-Pad2): R31.2 U6.32
Net-(R32-Pad2): R32.2 U6.5
Net-(R33-Pad2): R33.2 U6.6
Net-(TP6-Pad1): TP6.1 U6.2
Net-(TP7-Pad1): TP7.1 U6.21
Net-(TP8-Pad1): TP8.1 U6.22

Pads without a net: D3 4 5 6 7; J1 1 2 3 4 5 6 7 8 10 11 13 14 16 17 31 33 35 36 37 38 43 44 45 46; U3 4; U5 4

## Via types
v1: diameter 0.6, hole 0.35, Top to Bottom, 141 vias

## Routing (per net, layer and track width the routed paths; a pad name or vN(x,y) marks a point on that pad's centre or on a via; arc(x,y) is an arc through that point)
+1V2: length 23.3
  Top w0.2: U6.15 25.28,22.02 25.28,22.34
  Top w0.3: 25.28,22.34 25.28,22.64 C20.2 25.54,22.92 C18.2 ; U5.5 32.69,11.79 32.05,11.15 TP5.1
  Top w0.6: v1(31.55,14.85) C15.2 U5.5 ; v1(27.45,24.85) 27.45,24.83 C18.2
  Bottom w0.6: v1(27.45,24.85) 31.55,20.75 v1(31.55,14.85)
+1V8: length 38.2
  Top w0.3: U5.3 34.47,15.87 34.2,15.6 34.2,14.3 34.53,13.97 U5.1 ; v1(33.57,12.65) 33.57,7.13 TP2.1 ; 26.92,20.83 26.36,20.27
  Top w0.5: U5.1 C14.2
  Top w0.6: C14.2 R14.2 40.75,13 40.4,12.65 v1(33.57,12.65)
  Bottom w0.5: C25.2 C27.2 26.56,20.44 v1(26.88,20.76)
  Bottom w0.6: v1(33.57,12.65) 32.65,12.65 30.4,14.9 30.4,16.21 C25.2
+3V3: length 72.4
  Top w0.2: 8.85,8.23 8.97,8.34 8.97,8.87 ; 12.18,8.23 12.23,8.28 12.23,8.87 ; 4.7,7.75 5.75,7.75 6,8 D4.2 D4.9 7.72,8 7.95,8.23 7.68,8.5 D4.10 D4.1 5.7,8.5 5.45,8.25 4.7,8.25
  Top w0.3: 23.79,8.23 24.01,8.45 24.01,8.71 ; 23.79,8.23 24.05,8.23 ; 23.79,8.23 7.95,8.23 ; R28.2 R21.2 24.01,8.71 ; 4.7,8.25 2.95,8.25 2.85,8.15 2.85,7.75 4.7,7.75 ; 24.05,8.23 24.01,8.27 24.01,8.71 ; 24.05,8.23 24.21,8.23 ; 24.01,8.71 24.01,8.42 24.21,8.23 ; TP4.1 26.47,8.23 24.21,8.23 ; U6.16 24.55,22.01 C32.2 23.46,23.6 C29.2 C33.2
  Top w0.5: C13.2 20.9,31.47 25.31,27.06 25.31,25.45 C33.2
  Top w1: 2.85,8.15 2.12,8.88 v1(2.12,26.75)
  vias: v1(2.12,26.05) v1(2.12,25.35) v1(2.12,24.65) v1(21.75,34.5) v1(21.75,33.26) v1(22.55,33.88)
+5V: length 78.6
  Top w0.2: 19.05,35.65 19,35.7 19,37.2 ; 4.7,6.75 5.45,6.75 5.7,6.5 D4.5 D4.6 v1(8.1,6.5) 8.1,6.8 7.9,7 D4.7 D4.4 6,7 5.75,7.25 4.7,7.25
  Top w0.3: 4.7,7.25 3.35,7.25 ; v1(29.36,11.05) 29.36,8.34 TP1.1 ; 4.7,6.75 3.45,6.75
  Top w0.5: U4.1 29.78,11.93 C12.2 ; C9.2 U3.1 20.9,36.3 20.25,35.65 18.35,35.65 17.45,34.75 17.45,32.7 16.4,31.65 R13.2
  Top w1: 0.9,29.45 0.9,8 1.95,6.95 3.45,6.95
  Bottom w0.5: v1(8.1,6.5) 8.85,7.25 26.45,7.25 29.36,10.16 v1(29.36,11.05)
  vias: v1(0.8,30.6) v1(0.8,29.85) v1(0.8,29.1) v1(1.55,30.6) v1(1.55,29.85) v1(1.55,29.1) v1(10.35,31.45) v1(10.35,30.65) v1(11.55,31.45) v1(11.55,30.65) v1(12.75,31.45) v1(13.95,31.45)
+12V: length 67.3
  Top w0.3: R7.2 v1(14.95,39.45) ; R8.2 41.47,22.72
  Top w0.5: L3.1 40.66,34.74 40.15,35.25 R16.1
  Top w0.6: 40.71,31.19 40.71,27.29
  Bottom w0.3: v1(42.05,22.05) 39.65,19.65 39.65,18.65 41.75,16.55 41.75,12.35 38.25,8.85 v1(34.98,8.85)
  Bottom w0.8: v1(41.9,29.47) 41.9,34.17 40.33,35.74 23.45,35.74 19.74,39.45 v1(14.15,39.45) ; v1(15.75,38.65) v1(15.75,39.45)
  vias: v1(41.9,32.97) v1(41.9,32.1) v1(41.9,31.22) v1(41.9,30.35)
GND: length 49
  Top w0.2: Y1.2 32.55,19.17 ; v1(7.65,39.55) R10.1 ; R29.1 28.69,25.31 v1(28.55,25.45) ; 4.7,16.75 v1(3.6,16.75) ; v1(8.1,14.75) 8.65,14.2 8.97,14.2 ; v1(3.6,22.6) 3.75,22.75 J1.18 ; 4.23,18.25 4.03,18.25 3.55,17.77 v1(3.55,17.64) ; J1.15 v1(3.6,24.25) ; J1.9 v1(3.6,27.25) ; J1.12 v1(3.6,25.75)
  Top w0.3: R27.1 v1(13.95,40.35) ; v1(8.1,11.5) 8.1,11.5 D1.3 ; v1(23.41,25.92) 23.42,25.92 C33.1 ; v1(37.82,23.85) R12.1 ; 32.55,19.17 v1(33.51,20.13) C17.1 ; R23.1 28.76,21.68 v1(29.04,21.96) 29.04,21.96 D2.2 ; D4.3 v1(8.1,7.5) ; D3.3 v1(8.1,14.75) ; v1(40.78,24.55) R26.1 ; C29.1 v1(22.71,25.25) ; C32.1 v1(22.27,24.29) ; v1(38.97,27.29) C11.1 ; v1(41.9,35.65) C10.1 ; C15.1 v1(31.55,12.35)
  Top w0.5: C9.1 19.95,38.32 U3.2 ; v1(2.85,2.85) J1.MP2 v1(4.85,4.8) ; C13.1 v1(19.15,33.26) ; v1(2.85,35.15) J1.MP1 v1(4.85,33.2) ; Y1.4 28.7,17.86 C16.1 ; R19.1 26.98,9.5 ; C12.1 27.58,12.33 U4.3 ; U5.2 36.54,14.92 C14.1 v1(37.3,14.94)
  Bottom w0.5: C24.1 24.1,21.06 v1(23.63,20.59) ; C25.1 C23.1 ; C23.1 C26.1 ; C23.1 24.8,20.43 v1(24.3,19.93) ; C27.1 25.49,19.74 v1(24.98,19.23) ; v1(25.64,18.59) 26.12,19.07 C28.1
  vias: v1(3.05,20.05) v1(6.75,18.25) v1(6.75,16.65) v1(9.95,25.65) v1(9.95,24.05) v1(9.95,21.65) v1(9.95,20.05) v1(10.05,16.55) v1(12.3,16.65) v1(14.25,36.45) v1(15.45,36.65) v1(15.55,21.05) v1(15.65,12.85) v1(15.95,37.45) v1(17.15,21.05) v1(18.05,12.85) v1(18.35,20.45) v1(18.95,13.1) v1(19.55,19.45) v1(19.95,37.85) v1(21.3,13.1) v1(25.21,23.94) v1(25.9,24.63) v1(26.98,10.03) v1(27.61,12.39) v1(30.25,19.4) v1(40.5,18.9) v1(41.3,18.75) v1(42.05,19.45)
/Connectors/GPIO4_1V8: length 6
  Top w0.2: R2.1 9.94,14.21 8.97,15.18 8.97,15.28 7.88,15.28 7.86,15.25 D3.9 D3.2 5.95,15.25 5.45,14.75 J1.34
/Connectors/SCL_CAM0: length 4.4
  Top w0.2: 8.97,12.1 7.9,12.1 7.8,12 D1.9 D1.2 5.85,12 5.6,11.75 4.7,11.75
/Connectors/SCL_CAM1: length 4.6
  Top w0.2: 8.97,9.9 8.45,9.9 7.85,10.5 D1.6 D1.5 5.8,10.5 5.55,10.75 4.7,10.75
/Connectors/SDA_CAM0: length 4.6
  Top w0.2: 4.7,12.25 5.5,12.25 5.75,12.5 D1.1 D1.10 7.81,12.5 8.46,13.15 8.97,13.15
/Connectors/SDA_CAM1: length 4.4
  Top w0.2: 4.7,11.25 5.6,11.25 5.85,11 D1.4 D1.7 7.8,11 7.83,10.97 R24.1
/Serializer/CFG0: length 7.7
  Top w0.2: R18.1 R19.2 26.01,12.05 26.22,12.27 26.22,13.93 26.01,14.14 26.01,15.99 25.27,16.74 U6.3
/Serializer/CFG1: length 9.6
  Top w0.2: U6.4 26.42,16.3 26.42,14.57 26.7,14.29 v1(26.7,11.5)
  Top w0.5: R21.1 26.03,9.49
  Bottom w0.2: v1(25.5,9.49) 26.7,10.69 v1(26.7,11.5)
/Serializer/X1: length 4.9
  Top w0.2: Y1.1 30.17,16.79 29.77,16.79 C16.2 28.57,17.18 27.71,18.04 27.5,18.04 27.04,18.5 U6.8
/Serializer/X2: length 2
  Top w0.2: R20.2 27.42,19.92 U6.9
/Serializer/X2_R: length 3.5
  Top w0.2: R20.1 30.03,21.04 30.69,21.04 Y1.3 32.24,21.4 C17.2
/Supply/EN_1V8: length 9.4
  Top w0.3: v1(35.76,19.86) 36.85,19.86 ; R26.2 v1(39.81,22.05)
  Bottom w0.3: v1(35.76,19.86) 35.76,20.96 37.65,22.85 39.55,22.85 39.81,22.58 v1(39.81,22.05)
/Supply/EN_5V: length 15.1
  Top w0.2: U1.5 7.35,37.55 6.85,38.05 6.85,40.45 8.34,41.93 R27.2 R7.1
/Supply/FB_1V8: length 2.2
  Top w0.3: R12.2 U2.4
/Supply/FB_5V: length 2.3
  Top w0.2: R10.2 R9.1 U1.4
/Supply/OUT_1V8: length 7.5
  Top w0.3: R11.2 v1(38.45,22.05)
  Bottom w0.3: v1(40.75,16.15) 38.45,18.45 v1(38.45,22.05)
/Supply/OUT_5V: length 10.1
  Top w0.2: R9.2 v1(7.65,38.5)
  Bottom w0.2: v1(7.65,38.5) 12.1,34.05 v1(15.15,34.05)
/Supply/SW_1V8: length 1.9
  Top w0.3: 36.85,17.05 36.85,17.55 36.47,17.93 35.65,17.93
/Supply/SW_5V: length 2.6
  Top w0.3: L1.1 10.72,34.78 9.86,35.63 9.24,35.63
CSI_CLK_N: length 25.1
  Top w0.155: v1(6.09,17.86) 5.86,17.64 4.81,17.64 4.7,17.75 ; U6.28 21.97,17.45 21.27,16.75 arc(20.95,16.54) 20.57,16.46 20.07,16.46 arc(19.69,16.38) 19.37,16.17 17.28,14.08 arc(17.07,13.76) 16.99,13.38 16.99,13.07 v1(17.21,12.85)
  Bottom w0.155: v1(6.09,17.86) 6.31,17.64 6.59,17.64 arc(6.98,17.56) 7.3,17.35 8.62,16.03 arc(8.94,15.82) 9.32,15.74 9.96,15.74 arc(10.27,15.61) 10.4,15.3 10.4,14.99 arc(10.45,14.88) 10.56,14.83 arc(10.67,14.88) 10.72,14.99 10.72,15.3 arc(10.85,15.61) 11.16,15.74 arc(11.47,15.61) 11.6,15.3 11.6,14.99 arc(11.65,14.88) 11.76,14.83 arc(11.87,14.88) 11.92,14.99 11.92,15.3 arc(12.05,15.61) 12.36,15.74 14.64,15.74 arc(15.03,15.66) 15.35,15.45 16.7,14.1 arc(16.91,13.78) 16.99,13.39 16.99,13.07 v1(17.21,12.85)
CSI_CLK_P: length 25.2
  Top w0.155: 4.7,17.25 4.81,17.36 5.86,17.36 v1(6.09,17.14) ; U6.27 21.77,17.64 21.16,17.03 arc(20.83,16.82) 20.45,16.74 19.96,16.74 arc(19.57,16.66) 19.25,16.45 17,14.2 arc(16.79,13.88) 16.71,13.49 16.71,13.07 v1(16.49,12.85)
  Bottom w0.155: v1(6.09,17.14) 6.31,17.36 6.48,17.36 arc(6.86,17.28) 7.18,17.07 8.5,15.75 arc(8.82,15.54) 9.21,15.46 9.96,15.46 arc(10.07,15.41) 10.12,15.3 10.12,14.99 arc(10.25,14.68) 10.56,14.55 arc(10.87,14.68) 11,14.99 11,15.3 arc(11.05,15.41) 11.16,15.46 arc(11.27,15.41) 11.32,15.3 11.32,14.99 arc(11.45,14.68) 11.76,14.55 arc(12.07,14.68) 12.2,14.99 12.2,15.3 arc(12.25,15.41) 12.36,15.46 14.53,15.46 arc(14.91,15.38) 15.23,15.17 15.84,14.57 arc(15.87,14.48) 15.84,14.4 arc(15.8,14.32) 15.84,14.23 15.87,14.2 arc(15.95,14.17) 16.03,14.2 arc(16.12,14.24) 16.2,14.2 16.42,13.98 arc(16.63,13.66) 16.71,13.28 16.71,13.07 v1(16.49,12.85)
CSI_D0_N: length 25.2
  Top w0.155: J1.25 4.59,19.14 3.9,19.14 v1(3.68,19.36) ; v1(11.51,16.85) 11.29,17.07 11.29,17.78 arc(11.37,18.16) 11.58,18.48 11.72,18.62 arc(12.04,18.83) 12.42,18.91 12.61,18.91 arc(12.72,18.86) 12.77,18.75 12.77,18.58 arc(12.9,18.27) 13.21,18.14 arc(13.52,18.27) 13.65,18.58 13.65,19.52 arc(13.7,19.63) 13.81,19.68 arc(13.92,19.63) 13.97,19.52 13.97,19.35 arc(14.1,19.04) 14.41,18.91 14.88,18.91 arc(15.26,18.83) 15.58,18.62 16.2,18 arc(16.52,17.79) 16.91,17.71 20.4,17.71 arc(20.78,17.79) 21.11,18 21.26,18.15 U6.26
  Bottom w0.155: v1(3.68,19.36) 3.9,19.14 9.84,19.14 arc(10.23,19.06) 10.55,18.85 11,18.4 arc(11.21,18.08) 11.29,17.69 11.29,17.07 v1(11.51,16.85)
CSI_D0_P: length 25.2
  Top w0.155: J1.26 4.59,18.86 3.9,18.86 v1(3.68,18.64) ; U6.25 21.06,18.35 20.99,18.28 arc(20.67,18.07) 20.28,17.99 17.02,17.99 arc(16.64,18.07) 16.32,18.28 15.7,18.9 arc(15.38,19.11) 14.99,19.19 14.41,19.19 arc(14.3,19.24) 14.25,19.35 14.25,19.52 arc(14.12,19.83) 13.81,19.96 arc(13.5,19.83) 13.37,19.52 13.37,18.58 arc(13.32,18.47) 13.21,18.42 arc(13.1,18.47) 13.05,18.58 13.05,18.75 arc(12.92,19.06) 12.61,19.19 12.31,19.19 arc(11.92,19.11) 11.6,18.9 11.3,18.6 arc(11.09,18.28) 11.01,17.89 11.01,17.81 arc(10.98,17.73) 10.89,17.69 arc(10.81,17.66) 10.77,17.57 10.77,17.53 arc(10.81,17.45) 10.89,17.41 arc(10.98,17.38) 11.01,17.29 11.01,17.07 v1(10.79,16.85)
  Bottom w0.155: v1(10.79,16.85) 11.01,17.07 11.01,17.58 arc(10.93,17.96) 10.72,18.28 10.43,18.57 arc(10.11,18.78) 9.73,18.86 3.9,18.86 v1(3.68,18.64)
CSI_D1_N: length 25.2
  Top w0.155: J1.23 4.81,20.14 7.03,20.14 arc(7.41,20.22) 7.73,20.43 8,20.7 arc(8.32,20.91) 8.71,20.99 9.13,20.99 v1(9.35,21.21) ; v1(20.46,13.1) 20.24,13.32 20.24,13.89 arc(20.32,14.27) 20.53,14.6 22.67,16.74 U6.30
  Bottom w0.155: v1(20.46,13.1) 20.24,13.32 20.24,14.54 arc(20.16,14.92) 19.95,15.24 18.49,16.7 arc(18.17,16.91) 17.79,16.99 15.22,16.99 arc(14.84,17.07) 14.52,17.28 11.1,20.7 arc(10.78,20.91) 10.39,20.99 9.57,20.99 v1(9.35,21.21)
CSI_D1_P: length 25.2
  Top w0.155: J1.24 4.81,19.86 7.14,19.86 arc(7.53,19.94) 7.85,20.15 8.12,20.42 arc(8.44,20.63) 8.82,20.71 9.13,20.71 v1(9.35,20.49) ; U6.29 22.48,16.94 20.25,14.71 arc(20.04,14.39) 19.96,14.01 19.96,13.32 v1(19.74,13.1)
  Bottom w0.155: v1(9.35,20.49) 9.57,20.71 10.28,20.71 arc(10.66,20.63) 10.98,20.42 14.4,17 arc(14.72,16.79) 15.11,16.71 17.67,16.71 arc(18.05,16.63) 18.38,16.42 19.67,15.13 arc(19.88,14.8) 19.96,14.42 arc(19.93,14.34) 19.84,14.3 arc(19.76,14.27) 19.72,14.18 19.72,14.14 arc(19.76,14.06) 19.84,14.02 arc(19.93,13.99) 19.96,13.9 19.96,13.32 v1(19.74,13.1)
CSI_D2_N: length 25.2
  Top w0.155: J1.21 4.59,21.14 3.9,21.14 v1(3.68,21.36) ; v1(16.71,20.45) 16.49,20.67 16.49,20.98 arc(16.57,21.36) 16.78,21.68 16.97,21.87 arc(17.3,22.09) 17.68,22.17 21,22.17 arc(21.38,22.09) 21.7,21.87 22.47,21.1 U6.20
  Bottom w0.155: v1(16.71,20.45) 16.49,20.67 16.49,20.89 arc(16.41,21.28) 16.2,21.6 arc(16.16,21.68) 16.2,21.77 arc(16.23,21.85) 16.2,21.93 16.17,21.97 arc(16.08,22) 16,21.97 arc(15.92,21.93) 15.83,21.97 15.3,22.5 arc(14.98,22.71) 14.59,22.79 12.49,22.79 arc(12.38,22.84) 12.33,22.95 12.33,23.11 arc(12.2,23.42) 11.89,23.55 arc(11.58,23.42) 11.45,23.11 11.45,22.95 arc(11.4,22.84) 11.29,22.79 8.91,22.79 arc(8.52,22.71) 8.2,22.5 7.13,21.43 arc(6.81,21.22) 6.43,21.14 3.9,21.14 v1(3.68,21.36)
CSI_D2_P: length 25.2
  Top w0.155: v1(3.68,20.64) 3.9,20.86 4.59,20.86 J1.22 ; v1(15.99,20.45) 16.21,20.67 16.21,21.09 arc(16.29,21.48) 16.5,21.8 16.86,22.15 arc(17.18,22.37) 17.56,22.45 21.11,22.45 arc(21.49,22.37) 21.82,22.15 22.67,21.3 U6.19
  Bottom w0.155: v1(3.68,20.64) 3.9,20.86 6.54,20.86 arc(6.93,20.94) 7.25,21.15 8.32,22.22 arc(8.64,22.43) 9.02,22.51 11.29,22.51 arc(11.6,22.64) 11.73,22.95 11.73,23.11 arc(11.78,23.23) 11.89,23.27 arc(12,23.23) 12.05,23.11 12.05,22.95 arc(12.18,22.64) 12.49,22.51 14.48,22.51 arc(14.86,22.43) 15.18,22.22 15.92,21.48 arc(16.13,21.16) 16.21,20.78 16.21,20.67 v1(15.99,20.45)
CSI_D3_N: length 25.2
  Top w0.155: v1(18.81,19.19) 18.81,19.51 19.12,19.82 arc(19.44,20.03) 19.82,20.11 20.23,20.11 arc(20.61,20.03) 20.93,19.82 21.06,19.69 U6.24 ; v1(10.55,25.21) 10.33,24.99 9.31,24.99 arc(8.92,24.91) 8.6,24.7 6.33,22.43 arc(6.01,22.22) 5.63,22.14 4.81,22.14 J1.19
  Bottom w0.155: v1(10.55,25.21) 10.77,24.99 12.29,24.99 arc(12.4,25.04) 12.45,25.15 12.45,25.72 arc(12.58,26.03) 12.89,26.16 arc(13.2,26.03) 13.33,25.72 13.33,25.15 arc(13.38,25.04) 13.49,24.99 16.49,24.99 arc(16.88,24.91) 17.2,24.7 18.9,22.99 arc(19.12,22.67) 19.2,22.29 19.2,20.31 arc(19.12,19.93) 18.9,19.61 18.81,19.51 v1(18.81,19.19)
CSI_D3_P: length 25.2
  Top w0.155: J1.20 4.81,21.86 5.74,21.86 arc(6.13,21.94) 6.45,22.15 8.72,24.42 arc(9.04,24.63) 9.42,24.71 10.33,24.71 v1(10.55,24.49) ; U6.23 21.26,19.89 21.05,20.1 arc(20.72,20.31) 20.34,20.39 19.71,20.39 arc(19.32,20.31) 19,20.1 18.61,19.71 v1(18.29,19.71)
  Bottom w0.155: v1(18.29,19.71) 18.61,19.71 18.62,19.72 arc(18.84,20.05) 18.92,20.43 18.92,20.68 arc(18.88,20.76) 18.81,20.79 arc(18.73,20.82) 18.69,20.9 18.69,20.96 arc(18.73,21.04) 18.81,21.07 arc(18.88,21.1) 18.92,21.18 18.92,22.17 arc(18.84,22.55) 18.62,22.88 17.08,24.42 arc(16.76,24.63) 16.38,24.71 13.49,24.71 arc(13.18,24.84) 13.05,25.15 13.05,25.72 arc(13,25.83) 12.89,25.88 arc(12.78,25.83) 12.73,25.72 12.73,25.15 arc(12.6,24.84) 12.29,24.71 10.77,24.71 v1(10.55,24.49)
GPIO3: length 24.1
  Top w0.2: 4.7,15.75 D3.10 7.95,15.75 8.55,16.35 8.55,17.65 15.25,24.35 21.2,24.35 U6.17
GPIO4: length 20.3
  Top w0.2: U6.18 20.99,23.85 15.35,23.85 9.01,17.51 9.01,16.71 9.94,15.79 R1.2
SCL: length 6.4
  Top w0.2: R6.1 R31.1 R25.2 ; R4.2 R33.1
  Bottom w0.2: v1(10.6,12.1) 11.25,11.45 11.25,10.55 v1(10.6,9.9)
SDA: length 8.9
  Top w0.2: R3.2 R32.1 ; v1(10.53,8.85) 10.5,8.87 R5.1 ; R24.2 R30.1
  Bottom w0.2: v1(10.6,10.97) 9.86,10.97 9.85,10.97 ; v1(10.6,13.15) 9.85,12.4 9.85,10.97 ; v1(10.53,8.85) 9.85,9.52 9.85,10.97
SIO_P: length 19.2
  Top w0.2: J2.1 29.35,24.05 arc(29.27,23.66) 29.06,23.34 D2.1 27.95,22.23
VREF: length 5.3
  Top w0.2: U4.2 28.91,14.66 28.58,14.99 28.58,16.25 U6.7
Net-(C3-Pad1): length 1.4
  Top w0.3: U1.6 C3.1
Net-(C4-Pad1): length 1.2
  Top w0.3: C4.1 U2.6
Net-(C23-Pad2): length 3.7
  Top w0.2: U6.14 25.81,21.84 v1(25.81,21.96)
  Bottom w0.5: 25.14,21.48 C23.2 ; 25.14,21.48 25.33,21.48 v1(25.81,21.96) ; 25.14,21.48 C26.2
Net-(C30-Pad1): length 1.6
  Top w0.2: U6.12 25.98,20.6 26.93,21.55 C30.1
Net-(C31-Pad1): length 2
  Top w0.2: U6.13 25.63,20.95 26.61,21.93 C31.1
Net-(C31-Pad2): length 1
  Top w0.2: C31.2 R29.2
Net-(L3-Pad2): length 14
  Top w0.5: R17.1 35.48,23.82 35.86,24.2 L4.1 35.86,27.34 35.24,27.96 L3.2 35.24,34.48 36.01,35.25 37.47,35.25
Net-(L4-Pad2): length 5.4
  Top w0.5: R17.2 33.7,23.82 33.32,24.2 L4.2 L5.1
Net-(L5-Pad2): length 1.4
  Top w0.5: L5.2 L6.1
Net-(R23-Pad2): length 1.7
  Top w0.2: R23.2 27.52,20.66 26.75,19.89 U6.10
Net-(R28-Pad1): length 4.6
  Top w0.2: R28.1 24.98,15.6 24.56,16.03 U6.1
Net-(R30-Pad2): length 15
  Top w0.2: U6.31 22.51,15.72 22.51,12.6 20.88,10.97 12.23,10.97
Net-(R31-Pad2): length 15.8
  Top w0.2: 12.23,9.9 20.76,9.9 23.06,12.2 23.06,15.56 U6.32
Net-(R32-Pad2): length 19.4
  Top w0.2: v1(27.15,15.85) 27.15,16.27 U6.5 ; 12.23,13.15 v1(13,13.15)
  Bottom w0.2: v1(13,13.15) 14.55,11.6 21.3,11.6 25.55,15.85 v1(27.15,15.85)
Net-(R33-Pad2): length 20.5
  Top w0.2: v1(27.15,15.05) 27.67,15.57 27.67,16.46 U6.6 ; 12.23,12.1 v1(13,12.1)
  Bottom w0.2: v1(27.15,15.05) 25.51,15.05 21.56,11.1 14,11.1 v1(13,12.1)
Net-(TP6-Pad1): length 17.8
  Top w0.2: v1(25.7,13.15) 25.7,13.84 25.5,14.04 25.5,15.8 24.92,16.38 U6.2
  Bottom w0.2: v1(29.05,2.85) 29.05,6.75 30.05,7.75 30.05,11.75 28.65,13.15 v1(25.7,13.15)
Net-(TP7-Pad1): length 28
  Top w0.2: v1(20.55,21.57) 21.14,21.57 U6.21
  Bottom w0.2: v1(20.55,21.57) 25.08,17.05 27.35,17.05 28.65,15.75 28.65,14.75 30.95,12.45 30.95,9.85 35.05,5.75 v1(35.05,2.85)
Net-(TP8-Pad1): length 27
  Top w0.2: v1(19.95,21.05) 20.96,21.05 U6.22
  Bottom w0.2: v1(19.95,21.05) 24.55,16.45 27.35,16.45 28.1,15.7 28.1,14.6 30.55,12.15 30.55,7.85 32.05,6.35 v1(32.05,2.85)
unconnected-(D3-Pad4): length 0.9
  Top w0.2: D3.4 D3.7
unconnected-(D3-Pad5): length 0.9
  Top w0.2: D3.6 D3.5

## Copper pours and planes (outline as drawn; the poured copper is in the pictures)
+3V3 on Top: 22.95,32.75 20.45,32.75 20.45,35.15 22.95,35.15
+3V3 on Bottom: 22.85,27.75 8.85,27.75 7.25,26.35 7.25,23.55 1.55,23.55 1.55,29.85 19.85,29.85 20.85,30.85 20.85,35.05 22.85,35.05
+5V on Top: 2.15,28.55 0.25,28.55 0.25,31.1 2.15,31.1
+5V on Top: 15.75,30.05 9.75,30.05 9.75,32.05 15.75,32.05
+5V on Bottom: 14.47,30.05 5.55,30.05 5.55,28.54 0.26,28.55 0.26,32.05 14.45,32.05
+12V on Top: 42.61,26.35 40.37,26.35 40.45,34.25 42.6,34.25
+12V on Top: 38.85,21.35 40.85,21.35 41.35,21.85 41.35,25.85 40.85,26.55 42.65,26.55 42.65,20.45 38.85,20.45
+12V on Top: 16.2,38.15 12.5,38.15 12.5,39.95 16.2,39.95
GND on Top: 16.25,37.75 16.25,35.55 12.55,35.55 12.55,36.95 14.15,36.95 14.15,37.75
GND on Top: 40.15,18.55 38.85,18.55 38.85,19.25 40.55,19.25 40.55,19.75 42.35,19.75 42.35,17.95 40.15,17.95
GND on In1.Cu, In2.Cu: 43.1,-0.05 -0.08,-0.05 -0.08,43.13 43.1,43.13
/Supply/OUT_1V8 on Top: 38.55,17.95 39.6,17.95 39.9,17.65 42.25,17.65 42.25,15.05 38.55,15.05
/Supply/OUT_5V on Top: 16.15,32.65 12.4,32.65 12.35,35.45 13.75,35.45 14.25,35.25 16.15,35.25
/Supply/SW_1V8 on Top: 36.35,18.05 37.4,18.05 38.2,20.2 40.05,20.2 40.05,19.51 38.75,19.5 37.45,16.15 36.35,16.15
/Supply/SW_5V on Top: 13.8,37.21 12.55,37.2 12.15,35.65 11.35,32.55 9.92,32.52 9.92,35.58 11.15,35.58 11.55,36.15 11.55,37.45 11.95,37.9 13.8,37.9

## Text on the board
B.Silkscreen: PCB SHA ########
Top: GMSL Serializer / Rev. 1.0.0 / 01/2024
F.Mask: GMSL Serializer / Rev. 1.0.0 / 01/2024
